# KiCad board The Typeuwu.kicad_pcb (continued)
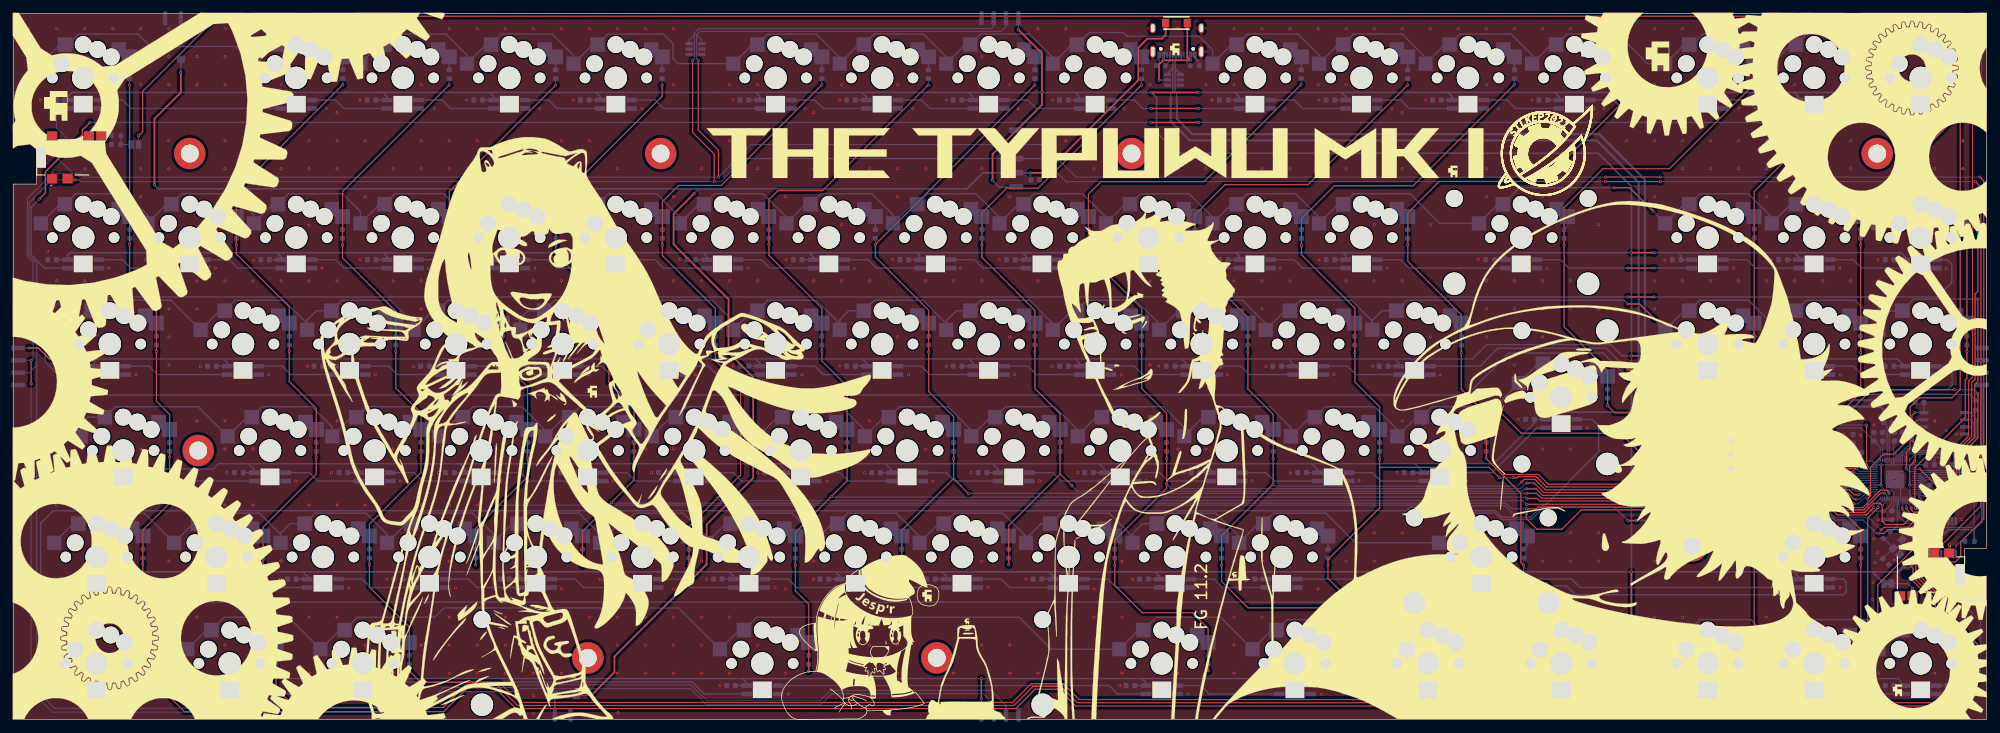
[diagram p0: board, top side]
## Routing (per net, layer and track width the routed paths; a pad name or vN(x,y) marks a point on that pad's centre or on a via; arc(x,y) is an arc through that point) (continued)
Net-(U203-EN): length 1.6
  Bottom w0.25: 322.48,49.55 U203.3

## Copper pours and planes (outline as drawn; the poured copper is in the pictures)
GND on Top, Bottom, In1.Cu, In2.Cu: 0,126 352,126 352,0 0,0

Small or netless copper shapes (teardrops, artwork), in the pictures only: 310 on Top, 1489 on Bottom

## Text on the board
B.Silkscreen: <-- BAT BYPASS | 3V3 | 5V
F.Silkscreen: FG 11.2
